# Altium PCB THS4302_2.PcbDoc
Units mil, origin at the board's own origin, x right, y up, seen from the top; angles counter-clockwise.
Board outline 1590.03 x 1385.03 mil, 2 copper layers (Top Layer, Bottom Layer); 23 components, 11 nets, 73 pads, 52 vias.
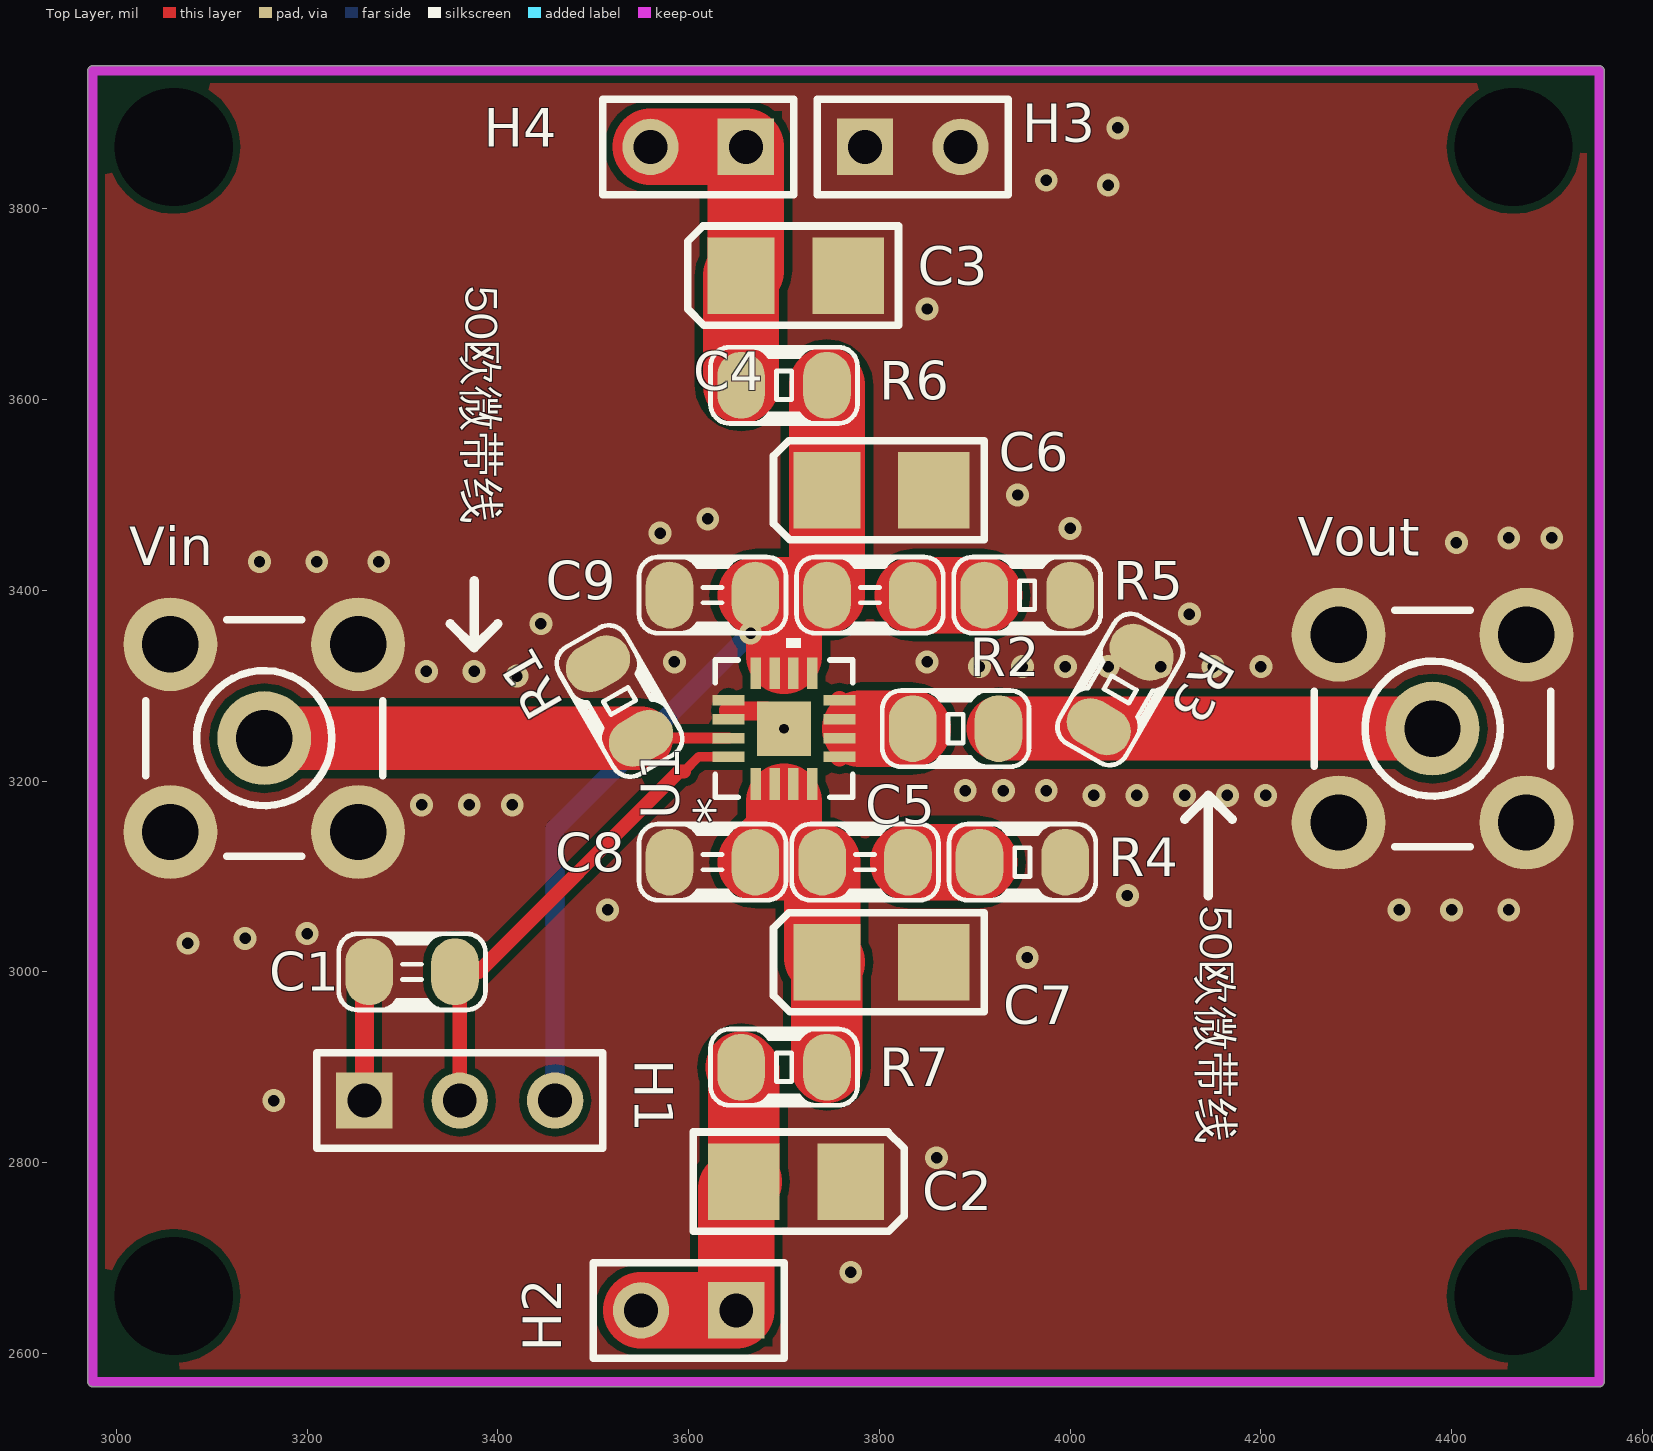
[diagram p0: Top Layer view]
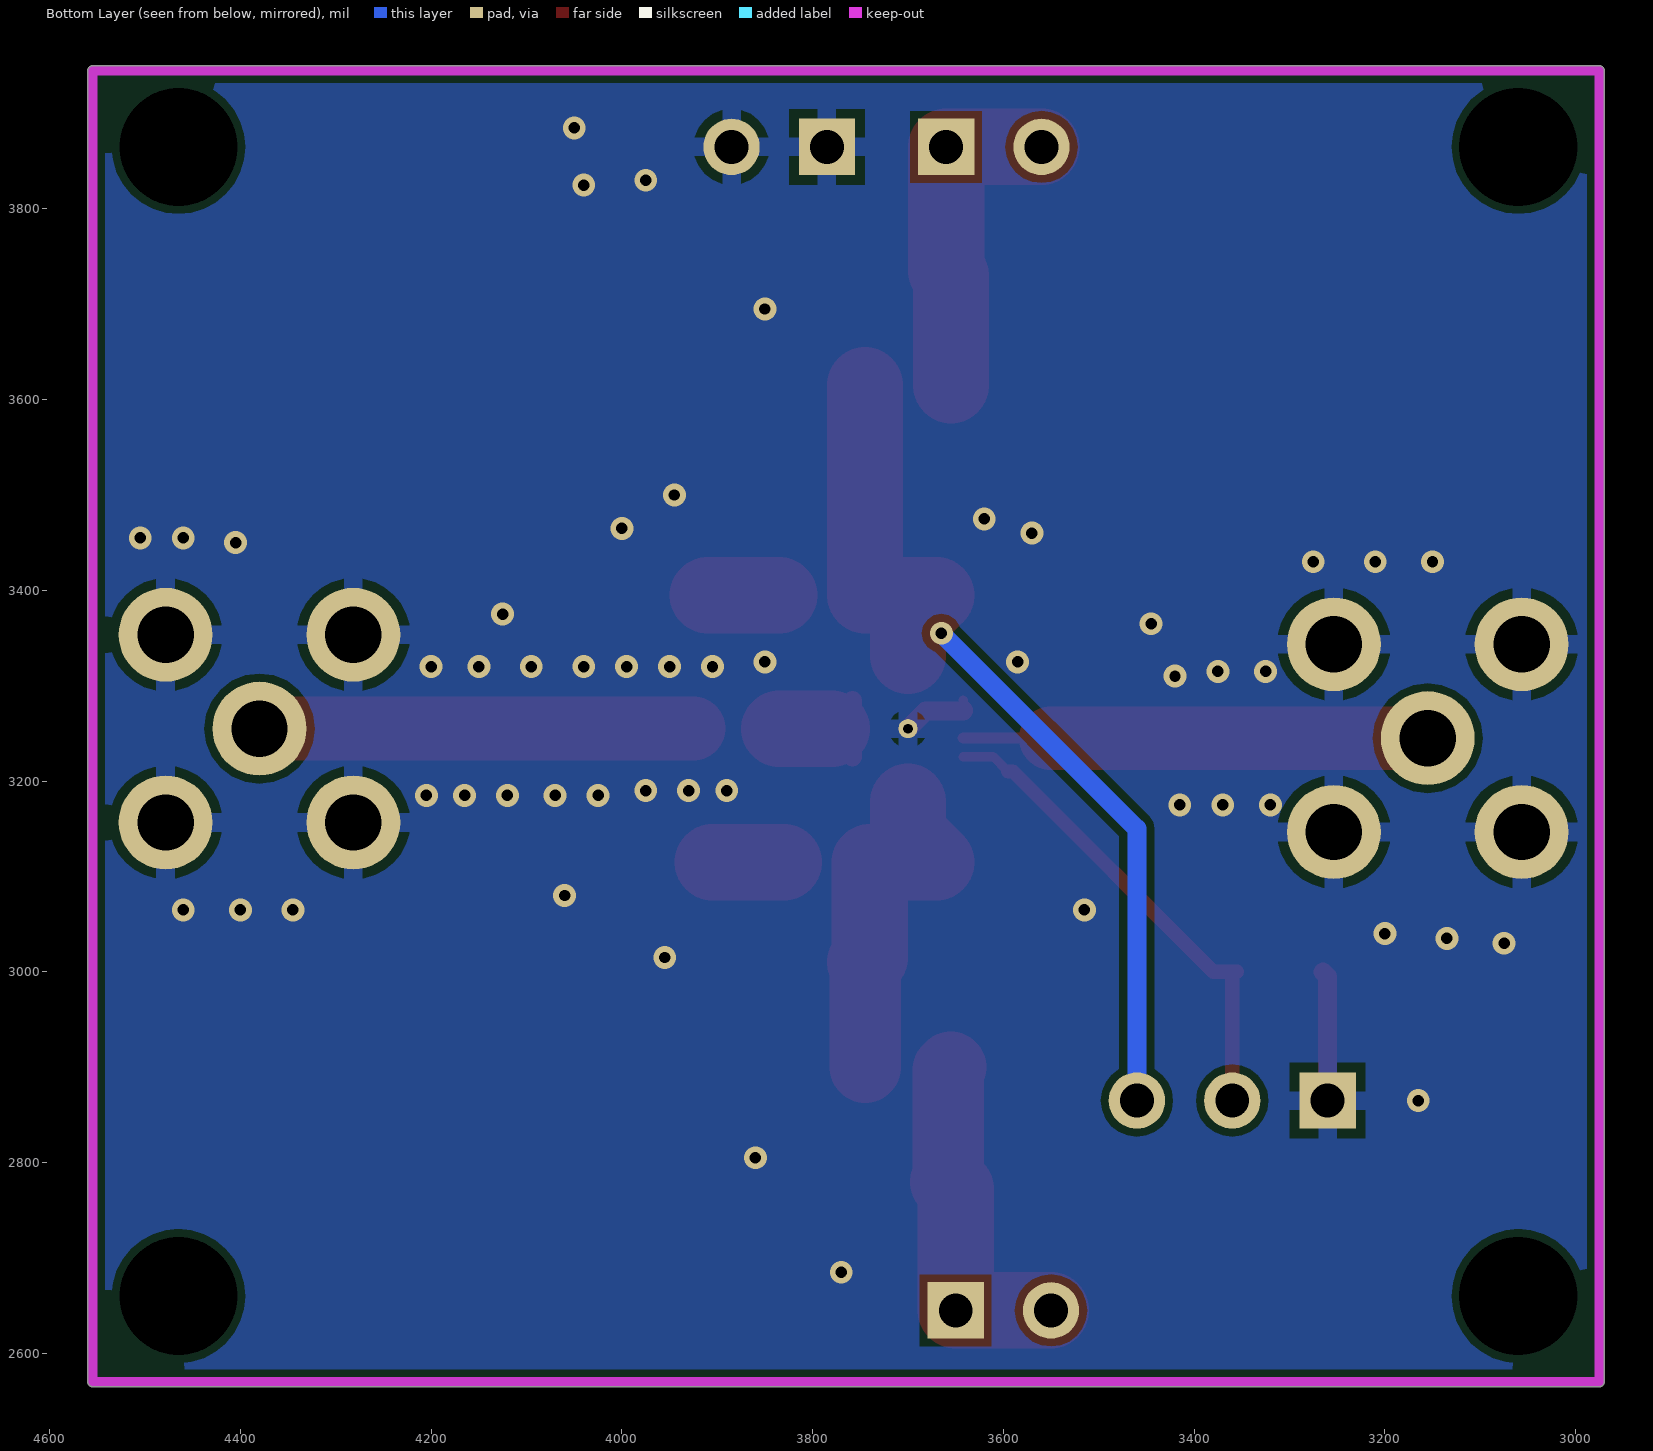
[diagram p1: Bottom Layer view, seen from below]
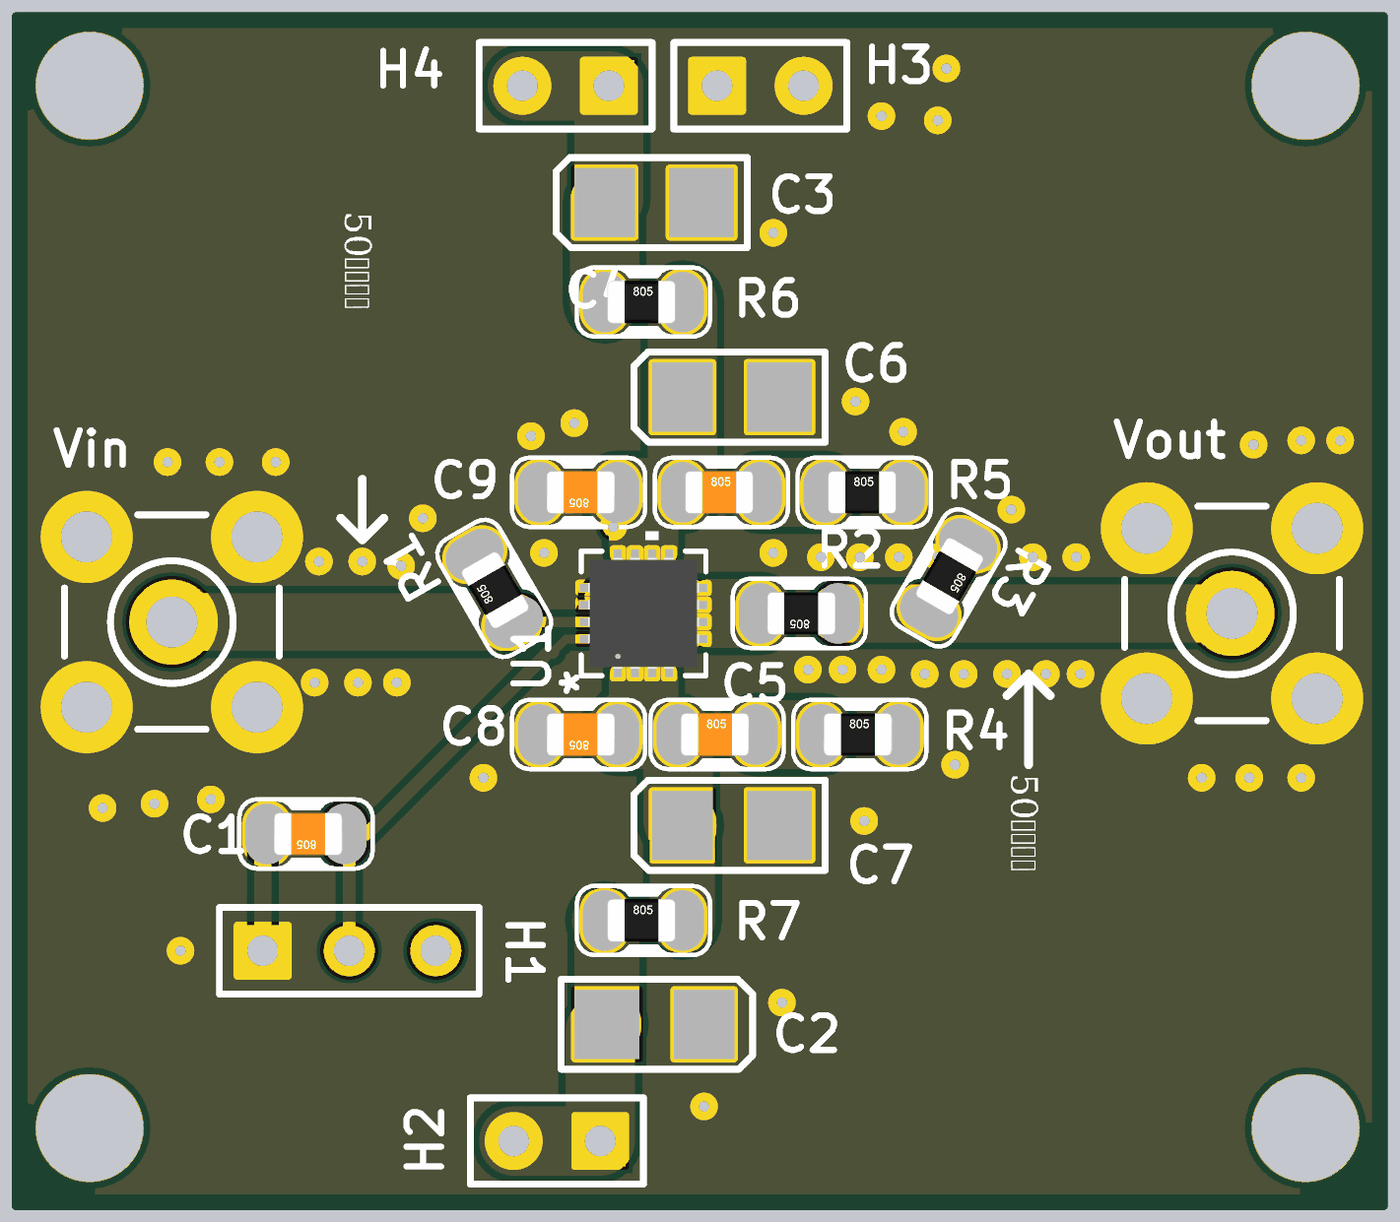
[diagram p2: 3D render of the assembled board from above, using the file's embedded part models]

## Layer stack, top to bottom
Top Solder: solder mask 0.4, Solder Resist, Dk 3.5
Top Layer: signal copper 1.4
Dielectric 1: dielectric 12.6, FR-4, Dk 4.8
Bottom Layer: signal copper 1.4
Bottom Solder: solder mask 0.4, Solder Resist, Dk 3.5

## Board outline
2969.99,2570 ccw(c2975,2570) 2975,2564.99 4555,2564.99 ccw(c4555,2570) 4560.02,2570 4560.02,3945 ccw(c4555,3945) 4555,3950.01 2975,3950.01 ccw(c2975,3945) 2969.99,3945

## Design rules (kind name [scope] priority, off if disabled: settings)
Clearance [All] p1: gap=8
PolygonConnect [All] p1: connectstyle=Direct reliefconductorwidth=20 reliefentries=4 polygonreliefangle="90 Angle" airgapwidth=10
RoutingVias [All] p1: holewidth=28 width=50 viastyle="Through Hole" minholewidth=28 minwidth=50 maxholewidth=28 maxwidth=50
SolderMaskExpansion [All] p1: expansion=4
Width GND [InNet('GND')] p1: maxlimit=80 minlimit=10 preferedwidth=80 minimp=50.000000 maximp=50.000000 favimp=50.000000
Width VS [InNetClass('VS')] p2: maxlimit=80 minlimit=10 preferedwidth=80 minimp=50.000000 maximp=50.000000 favimp=50.000000
Width [All] p3: maxlimit=80 minlimit=10 preferedwidth=10 minimp=50.000000 maximp=50.000000 favimp=50.000000
30 further rules are at their usual default settings.

## Classes and differential pairs
net class VS: NetC4_2 NetC5_2 VCC VS+ VS- VSS

## Components (designator, comment, footprint, x,y, rotation, side; value= is the part's Value field where it differs from the comment)
C1 "Cap" 0805C 3355,3000 r180 top
C2 "Cap Pol1" CAP_SMD_3216 3770,2780 r180 top
C3 "Cap Pol1" CAP_SMD_3216 3655,3730 r0 top
C4 "Cap" 0805C 3745,3395 r0 top
C5 "Cap" 0805C 3740,3115 r0 top
C6 "Cap" CAP_SMD_3216 3745,3505 r0 top
C7 "Cap" CAP_SMD_3216 3745,3010 r0 top
C8 "Cap" 0805C 3670,3115 r180 top
C9 "Cap" 0805C 3670,3395 r180 top
H1 "Header 3" HDR1X3 3260,2865 r0 top
H2 "Header 2" HDR1X2 3650,2645 r180 top
H3 "Header 2" HDR1X2 3785,3865 r0 top
H4 "Header 2" HDR1X2 3660,3865 r180 top
R1 "Res2" 0805R 3550,3245 r120 top
R2 "Res2" 0805R 3925,3255 r180 top
R3 "Res2" 0805R 4075,3335 r240 top
R4 "Res2" 0805R 3905,3115 r0 top
R5 "Res2" 0805R 3910,3395 r0 top
R6 "Res2" 0805R 3655,3615 r0 top
R7 "Res2" 0805R 3655,2900 r0 top
U1 "THS4302_RGT_16" RGT16_1P45X1P45 3700,3255 r90 top
Vin "SMB" SMB_V-RJ45 3155,3245 r0 top
Vout "SMB" SMB_V-RJ45 4380,3255 r0 top

## Footprints (in the part's own frame and the unit in brackets; to place one, negate y for a bottom-side part, rotate by r counter-clockwise, add the part's x,y. Pads: shape width x height; smd on the part's side, far side on the other; paste and mask are expansions set on the pad)
0805C [mil] "0805封装电容"
  oval 50x70 smd: 1(0,0) 2(90,0)
  silkscreen extent -32,-40 122,40, body extent 3,-25 82,25, height 30
0805R [mil] "0805封装电阻"
  oval 50x70 smd: 1(0,0) 2(90,0)
  silkscreen extent -32,-40 122,40, body extent 3,-25 82,25, height 30
CAP_SMD_3216 [mil] "贴片钽电容，10uF"
  rect 70x80 smd: 1(0,0)
  rect 75x80 smd: 2(112.2,0)
  silkscreen extent -56,-52 165,52, body extent -11,-35 123,35, height 63
HDR1X2 [mm] "Connector; Header; 2 Position"
  rect 1.5x1.5 hole 0.9: 1(0,0)
  round 1.5 hole 0.9: 2(2.54,0)
  silkscreen extent -1.27,-1.27 3.81,1.27
HDR1X3 [mm] "Connector; Header; 3 Position"
  rect 1.5x1.5 hole 0.9: 1(0,0)
  round 1.5 hole 0.9: 2(2.54,0) 3(5.08,0)
  silkscreen extent -1.27,-1.27 6.35,1.27
RGT16_1P45X1P45 [mm]
  rect 0.85x0.28 smd paste-0.412: 1(-1.475,0.75) 2(-1.475,0.25) 3(-1.475,-0.25) 4(-1.475,-0.75) 9(1.475,-0.75) 10(1.475,-0.25) 11(1.475,0.25) 12(1.475,0.75)
  rect 0.28x0.85 smd paste-0.412: 5(-0.75,-1.475) 6(-0.25,-1.475) 7(0.25,-1.475) 8(0.75,-1.475) 13(0.75,1.475) 14(0.25,1.475) 15(-0.25,1.475) 16(-0.75,1.475)
  rect 1.45x1.45 smd paste-0.712 mask-0.711: 17(0,0)
  round 0.508 / inner round 1.524 / far side round 0.508 hole 0.254: V(0,0)
  silkscreen extent -1.83,-1.83 2.41,1.83, body extent -1.63,-1.63 1.63,1.63, height 1
SMB_V-RJ45 [mm] "Connector; SMB Straight"
  round 2.5 hole 1.5: 1(0,0) 2(-2.5,-2.5) 2(-2.5,2.5) 2(2.5,-2.5) 2(2.5,2.5)
  silkscreen extent -3.15,-3.15 3.15,3.15

## Part data
C1 C4 C5 C6 C7 C8 C9: "Capacitor"
C2 C3: "Polarized Capacitor (Radial)"
H1: "Header, 3-Pin"
H2 H3 H4: "Header, 2-Pin"
R1 R2 R3 R4 R5 R6 R7: "Resistor"
U1: "Imported"
Vin Vout: "SMB Straight Connector"

## Free pads (board coordinates)
  round 60 hole 124.02: 2(3060,3865) 3(4465,3865) 4(4465,2660) 5(3060,2660)

## Via types
v1: diameter 24, hole 12, Top Layer to Bottom Layer, 52 vias

## Nets (pads, with @x,y where several pads share a name; then routed paths per layer and width w, separated by ;. In a path a pad name is that pad's centre, name@x,y a point inside that pad or via, vN(x,y) a via of type N, cw(c..) or ccw(c..) an arc to the next point about the centre after c; other vN are vias at no path point)
GND: C1.2 C2.1 C3.2 C6.2 C7.2 C8.2 C9.2 H1.1 H3.1 H3.2 R1.2 R3.1 R4.2 R5.2 U1.13 U1.14 U1.17 U1.V Vin.2 Vout.2 | length 213.8
  Top Layer w10: 3641.93,3274.54 U1.13
  Top Layer w20: H1.1 3260,2995 C1.2 ; 3641.93,3274.54 3641.93,3273.54 3681.46,3273.54 U1.17
  other v1: 3770,2685 3860,2805 3165,2865 3955,3015 3075,3030 3135,3035 3200,3040 3515,3065 4345,3065 4400,3065 4460,3065 4060,3080 3320,3175 3370,3175 3415,3175 4025,3185 4070,3185 4120,3185 4165,3185 4205,3185 3890,3190 3930,3190 3975,3190 3420,3310 3325,3315 3375,3315 3905,3320 3950,3320 3995,3320 4040,3320 4095,3320 4150,3320 4200,3320 3585,3325 3850,3325 3445,3365 4125,3375 3150,3430 3210,3430 3275,3430 4405,3450 4460,3455 4505,3455 3570,3460 4000,3465 3620,3475 3945,3500 3850,3695 4040,3825 3975,3830 4050,3885
NetC4_2: C4.2 R5.1 | length 75
  Top Layer w80: C4.2 R5.1
NetC5_2: C5.2 R4.1 | length 75
  Top Layer w80: C5.2 R4.1
NetR2_2: R2.2 U1.5 U1.6 U1.7 U1.8 | length 140.1
  Top Layer w10: U1.6 3767.92,3255 3780,3255
  Top Layer w20: U1.5 U1.6 U1.7 U1.8
  Top Layer w80: 3780,3255 R2.2
PD: C1.1 H1.2 U1.16 | length 517.4
  Top Layer w10: C1.1 C1.1@3360,2995 ; 3595,3210 3610.47,3225.47 U1.16
  Top Layer w15: C1.1 3380,3000 3590,3210 3595,3210 ; H1.2 C1.1@3360,2995
VCC: C4.1 C6.1 C9.1 H1.3 R6.2 U1.9 U1.10 U1.11 U1.12 | length 945.8
  Top Layer w80: 3700,3331.54 3700,3365 C9.1 C4.1 C6.1 R6.2
  Bottom Layer w20: H1.3 3460,3150 v1(3665,3355)
VIN: R1.1 U1.15 Vin.1 | length 487.1
  Top Layer w10: R1.1 R1.1@3550,3245.16
  Top Layer w12: R1.1@3550,3245.16 U1.15
  Top Layer w66.93: Vin.1 R1.1
VOUT: R2.1 R3.2 Vout.1 | length 462.1
  Top Layer w10: Vout.1 Vout.1@4385,3250
  Top Layer w66.93: R2.1 Vout.1
VS+: C3.1 H4.1 H4.2 R6.1 | length 352.1
  Top Layer w80: H4.2 H4.1 3660,3735 C3.1 R6.1
VS-: C2.2 H2.1 H2.2 R7.1 | length 359.4
  Top Layer w75: R7.1 3657.8,2897.2 C2.2
  Top Layer w80: H2.2 H2.1 3650,2772.2 C2.2
VSS: C5.1 C7.1 C8.1 R7.2 U1.1 U1.2 U1.3 U1.4 | length 363
  Top Layer w75: R7.2 C7.1
  Top Layer w80: 3700,3178.46 3700,3145 C8.1 C5.1 3740,3015 C7.1

## Polygon pours and split planes (outlines as drawn)
GND on Bottom Layer "GND" (solid, pour order 4): 2975,3945 4555,3945 4555,2570 2975,2570
GND on Top Layer "GND" (solid, pour order 2): 2975,3945 4555,3945 4555,2570 2975,2570

## Keep-outs
Keep-Out Layer:
  lines w10: 2975,2570 2975,3945 4555,3945 4555,2570 2975,2570

## Silkscreen, mask and mechanical layers (free items; w line width, h text height)
Top Overlay:
  lines w10: 3350,3365 3375,3340 ; 3375,3410 3375,3340 ; 3400,3365 3375,3340 ; 4120,3160 4145,3185 ; 4145,3080 4145,3185 ; 4170,3160 4145,3185
  text "50欧微带线" at 3355,3720 h60 r270
  text "50欧微带线" at 4125,3070 h60 r270

## Text inside footprints (layer, text, board x,y; h text height)
U1: Top Overlay "*" at 3645.63,3155.2 h40 r90; Mechanical 13 "*" at 3645.63,3155.2 h40 r90